# Altium PCB IT_Asset_Tracking_Rack_Controller-H743.PcbDoc (part 2 of 4)
Units mm, origin at the board's own origin, x right, y up, seen from the top; angles counter-clockwise.
Board outline 130 x 85 mm, 4 copper layers (Top Layer, MidLayer1, MidLayer2, Bottom Layer), stack 1.98 mm thick; 255 components, 233 nets, 1248 pads, 674 vias.
Unrouted connection lines stored in the file: 9.
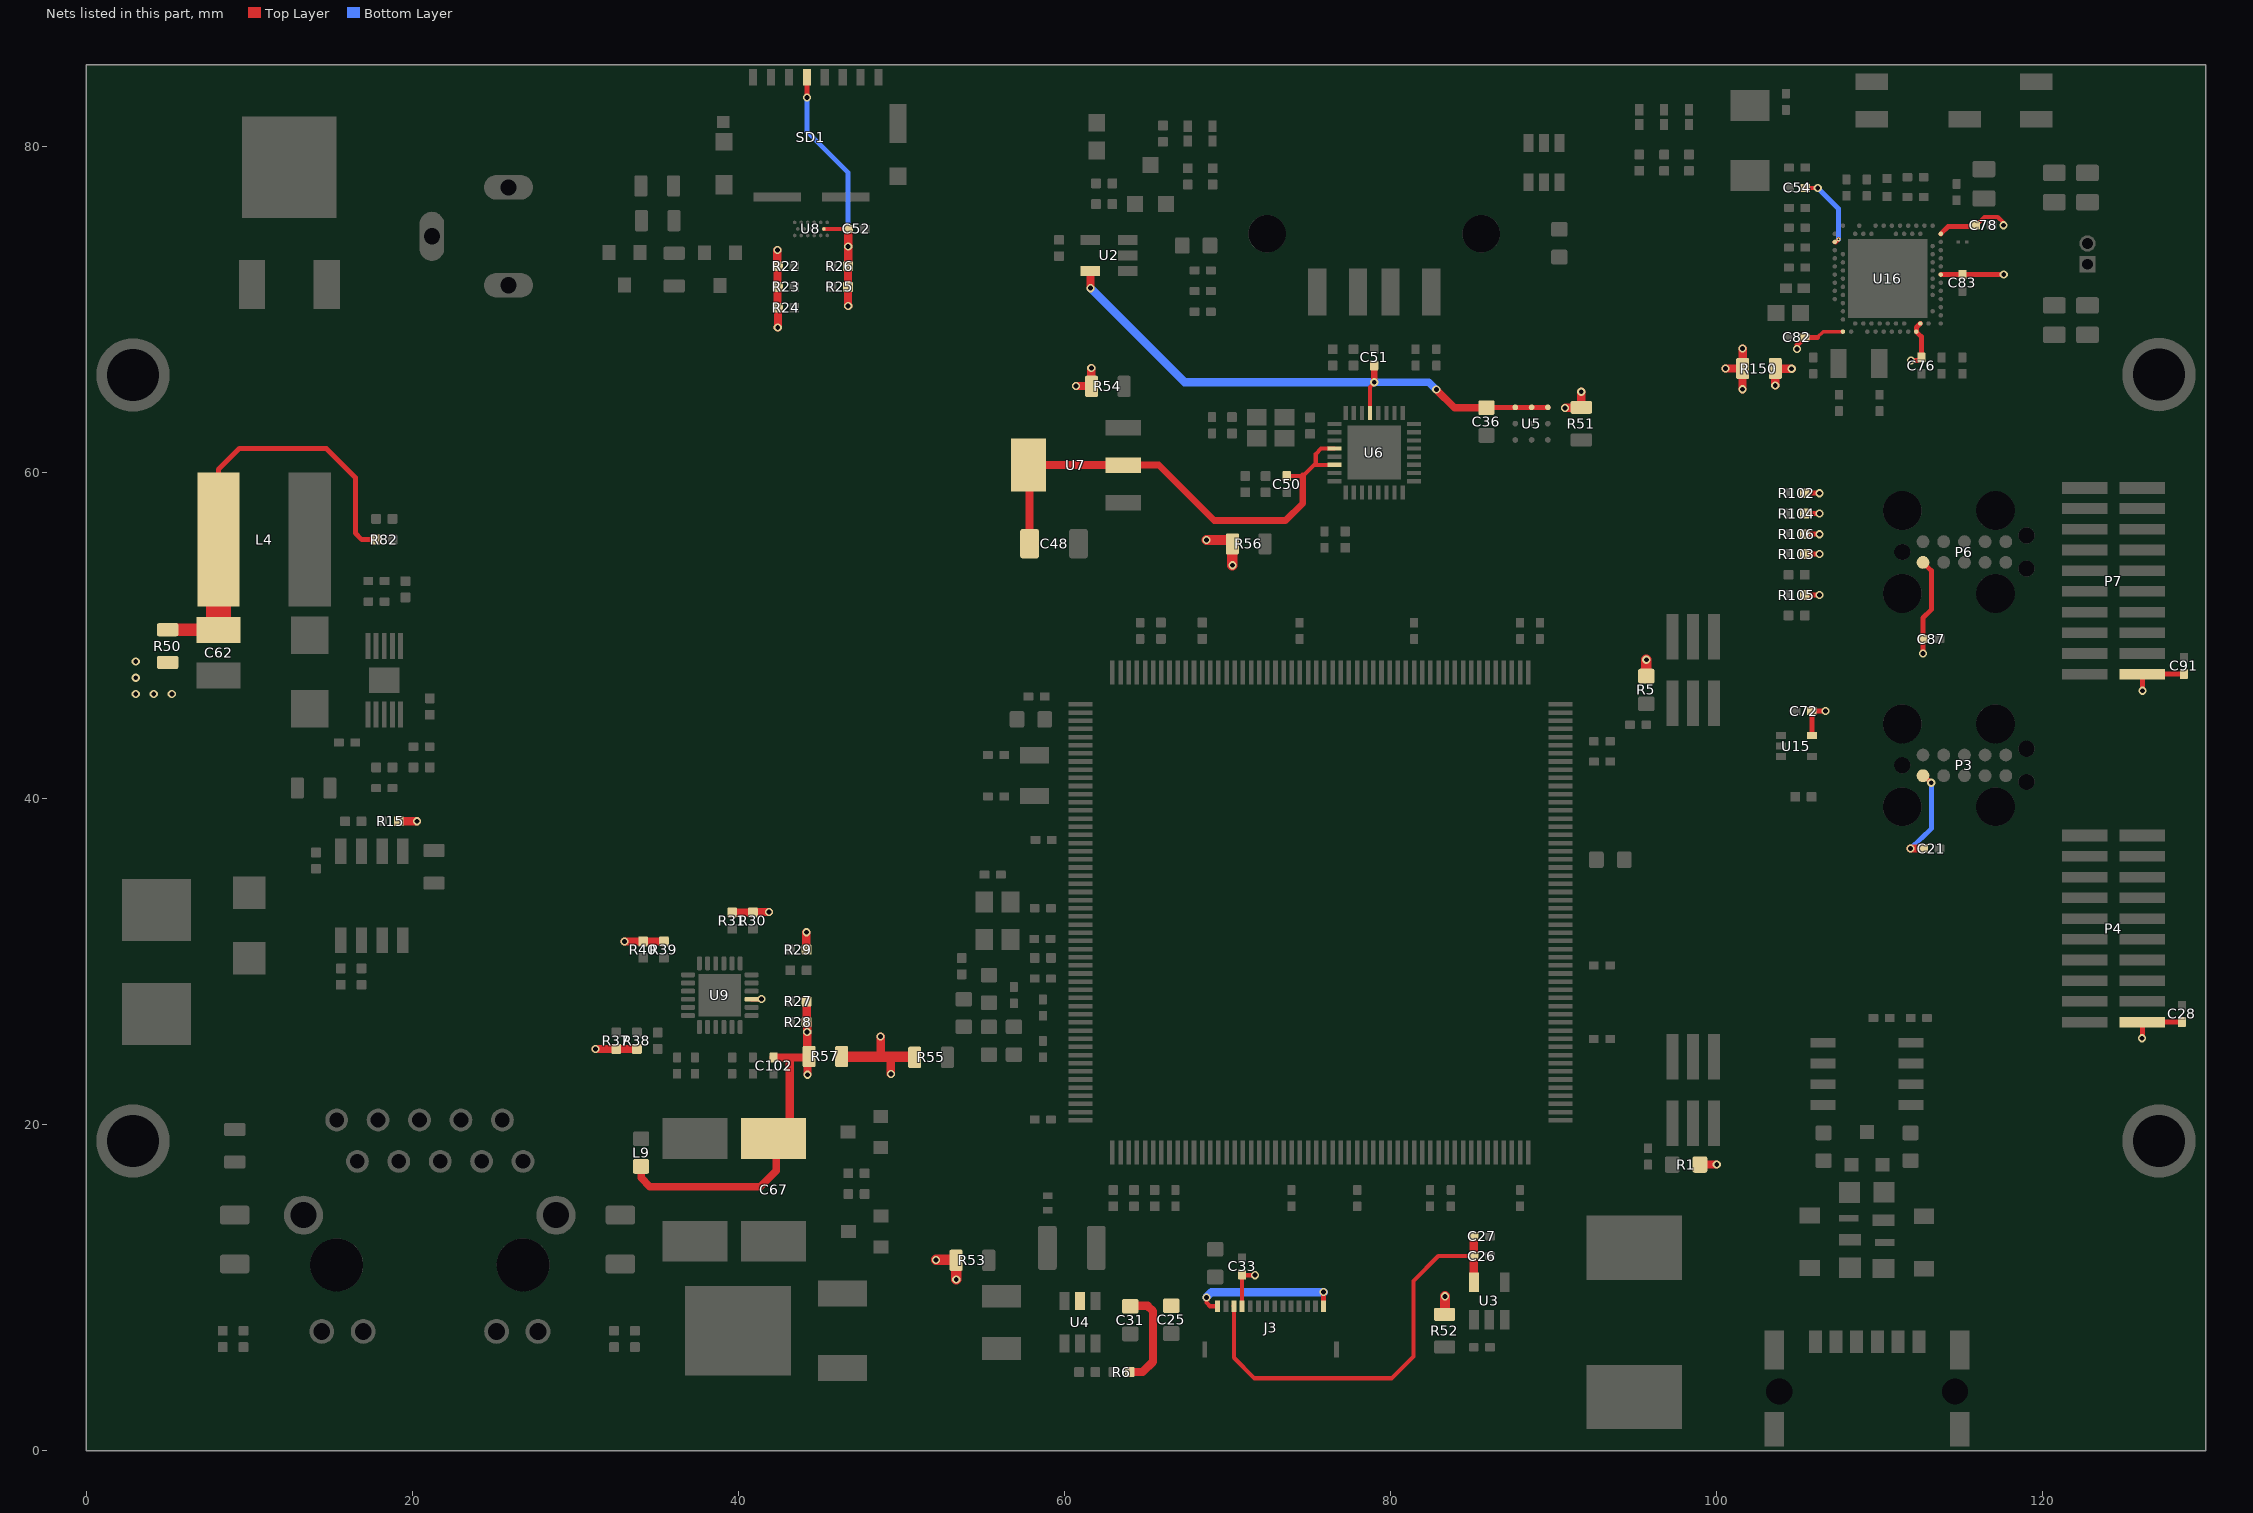
[diagram p4: the nets of this part, all layers, seen from the top]

## Part data (continued)
C10: library part Cap_4.7uF_0603_10V, "4.7µF ±10% 10V Ceramic Capacitor X5R 0603 (1608 Metric)", Dielectric Grade=X5R, Footprint/Package="0603 (1608 metric)", Manufacturer PartNr=C0603C475K8PACTU, Manufracturer=KEMET, Supplier Part Number 1=399-5503-1-ND, Tolerance=10%, voltage=10VDC, Replaceable=yes, Supplier 1=Digi-Key
C11 C13 C41: library part Cap_1uF_0603_25V, "1µF ±10% 25V Ceramic Capacitor X5R 0603 (1608 Metric)", Dielectric Grade=X5R, Footprint/Package="0603 (1608 metrisch)", Manufacturer=Kemet, Manufacturer PartNr=C0603C105K3PACTU, Supplier Part Number 1=399-7846-1-ND, Tolerance=10%, voltage=25VDC, ComponentLink1Description=mouser, ComponentLink1URL=https://www.mouser.ch/ProductDetail/Murata-Electronics/GCM155C71A105KE38D?qs=sGAEpiMZZMsh%252b1woXyUXj0FEAttKcN54ouz5zO04smg%3d, Replaceable=yes, Supplier 1=Digi-Key
C21 C28 C34 C63 C70 C72 C87 C91 C92 C98: library part Cap_0.1uF_0402_10V, "0.1µF ±20% 10V Ceramic Capacitor X5R 0402 (1005 Metric)", Dielectric Grade=X5R, Footprint/Package=0402, Manufacturer="Wurth Electronics", Manufacturer PartNr=885012105010, Supplier Part Number 1=732-7487-1-ND, Tolerance=20%, voltage=10VDC, ComponentLink1Description=mouser, ComponentLink1URL=https://www.mouser.ch/ProductDetail/Wurth-Electronics/885012105010?qs=sGAEpiMZZMs0AnBnWHyRQEGbLOF2VP1ihL84oCjXnlO407YOHi%2fQbw%3d%3d, Replaceable=yes, Supplier 1=Digi-Key, Supplier 2=Farnell, Supplier 3=Mouser, Supplier Part Number 2=2533928, Supplier Part Number 3=710-885012105010
C24 C26 C80 C81 C82: library part Cap_1uF_0402_10V, "1µF ±10% 10V Ceramic Capacitor X7S 0402 (1005 Metric)", Dielectric Grade=X7S, Footprint/Package="0402 (1005 metric)", Manufacturer=Murata, Manufacturer PartNr=GCM155C71A105KE38D, Supplier Part Number 1=490-13409-1-ND, Tolerance=10%, voltage=10VDC, ComponentLink1Description=mouser, ComponentLink1URL=https://www.mouser.ch/ProductDetail/Murata-Electronics/GCM155C71A105KE38D?qs=sGAEpiMZZMsh%252b1woXyUXj0FEAttKcN54ouz5zO04smg%3d, Replaceable=yes, Supplier 1=Digi-Key
C25 C32 C36: library part Cap_4.7uF_0603_16V, "4.7µF ±10% 16V Ceramic Capacitor X5R 0603 (1608 Metric)", Dielectric Grade=X5R, Footprint/Package="0603 (1608 metric)", Manufacturer PartNr=GRM188R61C475KAAJD, Manufracturer="Murata Electronics", Supplier Part Number 1=490-10481-1-ND, Tolerance=10%, voltage="16 VDC", Replaceable=yes, Supplier 1=Digi-Key
C27 C33 C37 C38 C39: library part Cap_0.1uF_0402_16V, "0.1µF ±20% 16V Ceramic Capacitor X7R 0402 (1005 Metric)", Dielectric Grade=X7R, Footprint/Package="0402 (1005 Metric)", Manufacturer=KEMET, Manufacturer PartNr=C0402C104M4RACAUTO, Supplier Part Number 1=399-13707-1-ND, Tolerance=20%, voltage=16VDC, ComponentLink1Description=mouser, ComponentLink1URL=https://www.mouser.ch/ProductDetail/KEMET/C0402C104M4RACAUTO?qs=sGAEpiMZZMs0AnBnWHyRQB295tntAovf0Dzw3tVX6zRfKTwHFThmZw%3d%3d, Replaceable=yes, Supplier 1=Digi-Key
C29: library part Cap_100uF_1210_6.3V, "100µF ±20% 6.3V Ceramic Capacitor X5R 1206 (3216 Metric)", Dielectric Grade=X7S, Footprint/Package="1210 (3225 metric)", Manufacturer=Murata, Manufacturer PartNr=GRM31CR60J107ME39L, Supplier Part Number 1=490-4539-1-ND, Tolerance=20%, voltage=6.3V, ComponentLink1Description=mouser, ComponentLink1URL=https://www.mouser.ch/ProductDetail/Murata-Electronics/GRM32EC72A106KE05L?qs=sGAEpiMZZMs0AnBnWHyRQN7%2fAA2D2lPPRgsNRWcxCxSMn45aJ02Wig%3d%3d, Replaceable=yes, Supplier 1=Digi-Key
C30: library part Cap_4.7uF_0402_6.3V, "4.7µF ±20% 6.3V Ceramic Capacitor X5R 0402 (1005 Metric)", Dielectric Grade=X5R, Footprint/Package="0402 (1005 metric)", Manufacturer=Murata, Manufacturer PartNr=GRM155R60J475ME47D, Supplier Part Number 1=490-5915-1-ND, Tolerance=±20%, voltage=6.3VDC, Replaceable=yes, Supplier 1=Digi-Key
C31: library part Cap_4.7uF_0603_35V, "4.7µF ±10% 35V Ceramic Capacitor X5R 0603 (1608 Metric)", Dielectric Grade=X5R, Footprint/Package="0603 (1608 metric)", Manufacturer PartNr=GRM188R6YA475KE15D, Manufracturer="Murata Electronics", power=-, Supplier Part Number 1=490-7205-1-ND, Tolerance=10%, voltage="35 VDC", Replaceable=yes, Supplier 1=Digi-Key
C35: library part Cap_4.7uF_0603_6V3_Tantal, "4.7µF Molded Tantalum Capacitors 6.3V 0603 (1608 Metric) 7.5Ohm", Dielectric Grade=TAC, Footprint/Package="0603 (1608 Metric)", Manufacturer="AVX Corporation", Manufacturer PartNr=TACL475K006XTA, Supplier Part Number 1=478-7522-1-ND, Tolerance="10 %", voltage=6.3V, Replaceable=yes, Supplier 1=Digi-Key
C42 C43: library part Cap_2.2uF_0402_25V, "2.2µF ±20% 25V Ceramic Capacitor X5R 0402 (1005 Metric)", Dielectric Grade=X5R, Footprint/Package=0402, Manufacturer=Murata, Manufacturer PartNr=GRM155R61E225ME15D, Supplier Part Number 1=490-10457-1-ND, Tolerance=±20%, voltage=25VDC, ComponentLink1Description=digikey, ComponentLink1URL=https://www.digikey.com/product-detail/en/murata-electronics-north-america/GRM155R61E225ME15D/490-10457-2-ND/5027542, Replaceable=yes, Supplier 1=Digi-Key
C44 C45: library part Cap_11pF_0402_50V, "11pF ±5% 50V Ceramic Capacitor C0G, NP0 0402 (1005 Metric)", Dielectric Grade="C0G (NP0)", Footprint/Package="0402 (1005 metric)", Manufacturer=Murata, Manufacturer PartNr=GRM1555C1H110JA01D, Supplier Part Number 1=490-5923-6-ND, Tolerance=5%, voltage=50VDC, ComponentLink1Description=mouser, ComponentLink1URL=https://www.mouser.ch/ProductDetail/Murata-Electronics/GRM1555C1H110JA01D?qs=%2fha2pyFadug34NHqLs7eMMmZ4IY%2fB%2fBwtGmZmE%252bqlNJIuNiWKDU4cio3ILTIjZ7Z, Replaceable=yes, Supplier 1=Digi-Key, Supplier 2=Mouser, Supplier Part Number 2=81-GRM1555C1H110JA1D
C47: library part Cap_2.2uF_0402_6.3V, "Multilayer Ceramic Capacitors MLCC - SMD/SMT 0402 2.2uF 6.3volts *Derate Voltage/Temp", Dielectric Grade=X5R, Footprint/Package=0402, Manufacturer=Murata, Manufacturer PartNr=GRM155R60J225ME15D, Supplier Part Number 1=81-GRM155R60J225ME5D, Tolerance=±20%, voltage=6.3VDC, ComponentLink1Description=digikey, ComponentLink1URL=https://www.digikey.com/product-detail/en/murata-electronics-north-america/GRM155R61E225ME15D/490-10457-2-ND/5027542, Replaceable=yes, Supplier 1=Mouser
C48: library part Cap_10uF_1206_10V, "10µF Molded Tantalum Capacitors 10V 1206 (3216 Metric) 3.4Ohm", Dielectric Grade=Tantal, Footprint/Package="1206 (3216 metric)", Manufacturer="Vishay Sprague", Manufacturer PartNr=293D106X9010A2TE3, Supplier Part Number 1=718-1121-1-ND, Tolerance=±10%, voltage=10V, ComponentLink1Description=mouser, ComponentLink1URL=https://www.mouser.ch/ProductDetail/Murata-Electronics/GRM32EC72A106KE05L?qs=sGAEpiMZZMs0AnBnWHyRQN7%2fAA2D2lPPRgsNRWcxCxSMn45aJ02Wig%3d%3d, Replaceable=yes, Supplier 1=Digi-Key
C53 C76 C77 C79: library part "Cap_4.7uF_0603 _6.3V_X7R", "4.7µF ±10% 6.3V Ceramic Capacitor X7R 0603 (1608 Metric)", Dielectric Grade=X7R, Footprint/Package="0603 (1608 metric)", Manufacturer PartNr=JMK107BB7475KA-T, Manufracturer="Taiyo Yuden", Supplier Part Number 1=587-5870-1-ND, Tolerance=±10%, voltage=6.3VDC, ComponentLink1Description=mouser, ComponentLink1URL=https://www.mouser.ch/ProductDetail/Murata-Electronics/GRM155R60J475ME47D?qs=sGAEpiMZZMs0AnBnWHyRQIE6q%2f4qwWvwbJmEUwav8%2f4%3d, Replaceable=yes, Supplier 1=Digi-Key
C54 C78 C83: library part Cap_100nF_0402_6V3, "0.1µF ±10% 6.3V Ceramic Capacitor X7R 0402 (1005 Metric)", Dielectric Grade=X7R, Footprint/Package="0402 (1005 metric)", Manufacturer=Yageo, Manufacturer PartNr=CC0402KRX7R5BB104, Supplier Part Number 1=311-1701-1-ND, Tolerance=±10%, Replaceable=yes, Supplier 1=Digi-Key, volatage=6.3VDC
C55 C57: library part Cap_DNP_0402, "Do not place 0402  (1005 metric) - placeholder", Footprint/Package="0402 (1005 metric)", Manufacturer=N/A, Manufacturer PartNr=N/A, Remark="do not place", Replaceable=no, Supplier 1=N/A, Supplier Part Number 1=N/A
C56 C100 C101 C102: library part Cap_0.1uF_0402_16V_10%, "0.1µF ±10% 16V Ceramic Capacitor X7R 0402 (1005 Metric)", Dielectric Grade=X7R, Footprint/Package="0402 (1005 Metric)", Manufacturer=Yageo, Manufacturer PartNr=CC0402KRX7R7BB104, Supplier Part Number 1=311-1338-1-ND, Tolerance=10%, voltage=16VDC, ComponentLink1Description=mouser, ComponentLink1URL=https://www.mouser.ch/ProductDetail/KEMET/C0402C104M4RACAUTO?qs=sGAEpiMZZMs0AnBnWHyRQB295tntAovf0Dzw3tVX6zRfKTwHFThmZw%3d%3d, Replaceable=yes, Supplier 1=Digi-Key
C58 C73: library part "Cap_130pF_0805 _50V", "130pF ±5% 50V Ceramic Capacitor C0G, NP0 0805 (2012 Metric)", Dielectric Grade=C0G/NP0, Footprint/Package="0805 (2012 metric)", Manufacturer=KEMET, Manufacturer PartNr=C0805C131J5GAC7800, power=-, Supplier Part Number 1=399-15446-1-ND, Tolerance=±5%, voltage="50V DC", Replaceable=yes, Supplier 1=Digi-Key
C59: library part Cap_6.8nF_0402_50V, "6800pF ±10% 50V Ceramic Capacitor X7R 0402 (1005 Metric)", Dielectric Grade=X7R, Footprint/Package="0402 (1005 metric)", Manufacturer=KEMET, Manufacturer PartNr=C0402C682K5RACTU, Supplier Part Number 1=399-3074-1-ND, Tolerance=10%, voltage=50VDC, ComponentLink1Description=http://www.mouser.com/ds/2/400/lcc_commercial_general_en-837201.pdf, ComponentLink1URL=http://www.mouser.com/ds/2/400/lcc_commercial_general_en-837201.pdf, ComponentLink2Description=https://product.tdk.com/info/en/documents/chara_sheet/C1005X7R1H682K050BA.pdf, ComponentLink2URL=https://product.tdk.com/info/en/documents/chara_sheet/C1005X7R1H682K050BA.pdf, ComponentLink3Description=https://product.tdk.com/en/products/common/pdf/mlcc_partnumber_description.pdf, ComponentLink3URL=https://product.tdk.com/en/products/common/pdf/mlcc_partnumber_description.pdf, Replaceable=yes, Supplier 1=Digi-Key
C60: library part Cap_3nF_0402_10V, "3000pF, 3nF, ±5% 10V Ceramic Capacitor U2J 0402 (1005 Metric)", Dielectric Grade=U2J, Footprint/Package="0402 (1005 Metric)", Manufacturer=Murata, Manufacturer PartNr=GRM1557U1A302JA01D, power=NA, Supplier Part Number 1=490-8243-2-ND, Tolerance=5%, voltage=10V, ComponentLink1Description=http://psearch.murata.com/capacitor/product/GRM1557U1A302JA01%23.pdf, ComponentLink1URL=http://psearch.murata.com/capacitor/product/GRM1557U1A302JA01%23.pdf, ComponentLink2Description=https://www.murata.com/~/media/webrenewal/support/library/catalog/products/capacitor/mlcc/c02e.ashx?la=en-us, ComponentLink2URL=https://www.murata.com/~/media/webrenewal/support/library/catalog/products/capacitor/mlcc/c02e.ashx?la=en-us, Replaceable=yes, Supplier 1=Digi-Key
C61 C96 C97: library part Cap_10pF_0402_50V, "10pF ±1% 50V Ceramic Capacitor C0G, NP0 0402 (1005 Metric)", Dielectric Grade="C0G (NP0)", Footprint/Package="0402 (1005 metric)", Manufacturer PartNr=GJM1555C1H100FB01D, Manufracturer="Murata Electronics", Supplier Part Number 1="0402 (1005 Metric)", Tolerance=1%, voltage=50VDC, ComponentLink1Description=mouser, ComponentLink1URL=https://www.mouser.ch/ProductDetail/Murata-Electronics/GRM155R60J475ME47D?qs=sGAEpiMZZMs0AnBnWHyRQIE6q%2f4qwWvwbJmEUwav8%2f4%3d, Replaceable=yes, Supplier 1=Digi-Key, Supplier 2=Mouser, Supplier Part Number 2=81-GJM1555C1H100FB01
C62: library part Cap_100uF_1210_10V, "100µF ±20% 10V Ceramic Capacitor X5R 1210 (3225 Metric)", Dielectric Grade=X5R, Footprint/Package="1210 (3225 metric)", Manufacturer=Murata, Manufacturer PartNr=GRM32ER61A107ME20L, Supplier Part Number 1=490-9969-1-ND, Tolerance=±20%, voltage=10VDC, Replaceable=yes, Supplier 1=Digi-Key
C64 C65: library part Cap_1nF_1206_2000V, "1000pF ±10% 2000V (2kV) Ceramic Capacitor X7R 1206 (3216 Metric)", Dielectric Grade=X7R, Footprint/Package="1206 (3216 Metric)", Manufacturer="AVX Corporation", Manufacturer PartNr=1206GC102KAZ1A, Supplier Part Number 1=478-4600-1-ND, Tolerance=±10%, voltage=2kV, Replaceable=yes, Supplier 1=Digi-Key
C66 C67: library part "Cap_10uF_1206 _10V_Tantal", "10µF Molded Tantalum Capacitors 10V 1206 (3216 Metric) 3.4Ohm", Dielectric Grade=TANTAL, Footprint/Package="1206 (3216 metric)", Manufacturer="Vishay Sprague", Manufacturer PartNr=293D106X9010A2TE3, Supplier Part Number 1=718-1121-1-ND, Tolerance=±10%, voltage=10V, Replaceable=yes, Supplier 1=Digi-Key
C68: library part Cap_470pF_0402_16V, "470pF ±10% 16V Ceramic Capacitor X7R 0402 (1005 Metric)", Dielectric Grade=X7R, Footprint/Package="0402 (1005 metric)", Manufacturer="AVX Corporation", Manufacturer PartNr=0402YC471KAT2A, Supplier Part Number 1=478-12657-1-ND, Tolerance=10%, voltage=16VDC, ComponentLink1Description=mouser, ComponentLink1URL=https://www.mouser.ch/ProductDetail/Murata-Electronics/GRM155R61A472KA01D?qs=sGAEpiMZZMs0AnBnWHyRQJuLogdu9bcTuSYPL0o17LI%3d, Replaceable=yes, Supplier 1=Digi-Key
C71: library part Cap_10uF_0402_10V, "10µF ±20% 10V Ceramic Capacitor X5R 0402 (1005 Metric)", Dielectric Grade=X5R, Footprint/Package="0402 (1005 metric)", Manufacturer="Samsung Electro-Mechanics", Manufacturer PartNr=CL05A106MP8NUB8, Supplier Part Number 1=1276-6830-1-ND, Tolerance=20%, voltage=10VDC, ComponentLink1Description=mouser, ComponentLink1URL=https://www.mouser.ch/ProductDetail/Murata-Electronics/ZRB15XR61A106ME01D?qs=sGAEpiMZZMs0AnBnWHyRQN7%2fAA2D2lPPC0%2fdyv23S%2fU%252bBeuYI5b1UA%3d%3d, Replaceable=yes, Supplier 1=Digi-Key
C74 C75 C84 C85: library part Cap_12pF_0402_50V, "12pF ±2% 50V Ceramic Capacitor C0G, NP0 0402 (1005 Metric)", Dielectric Grade=C0G/NP0, Footprint/Package="0402 (1005 metric)", Manufacturer=Murata, Manufacturer PartNr=GRM1555C1H120GA01D, Supplier Part Number 1=490-6197-1-ND, Tolerance=±2%, voltage=50VDC, Replaceable=yes, Supplier 1=Digi-Key
C86: library part Cap_100pF_0402_10V, "100pF ±5% 10V Keramikkondensatoren C0G, NP0 0402 (1005 metrisch)", Dielectric Grade=C0G/NP0, Footprint/Package="0402 (1005 metric)", Manufacturer=Yageo, Manufacturer PartNr=885012005013, Supplier Part Number 1=732-7431-1-ND, Tolerance=±5%, voltage=10VDC, Replaceable=yes, Supplier 1=Digi-Key
C88: library part Cap_0.8pF_0402_50V, "0.8pF ±0.1pF 50V Ceramic Capacitor C0G, NP0 0402 (1005 Metric)", Dielectric Grade=C0G/NP0, Footprint/Package="0402 (1005 metric)", Manufacturer=Murata, Manufacturer PartNr=GJM1555C1HR80BB01D, power=-, Supplier Part Number 1=490-6080-1-ND, Tolerance=±0.1pF, voltage="50 VDC", ComponentLink1Description=http://search.murata.co.jp/Ceramy/image/img/A01X/G101/ENG/GJM1555C1HR80BB01-01.pdf, ComponentLink1URL=http://search.murata.co.jp/Ceramy/image/img/A01X/G101/ENG/GJM1555C1HR80BB01-01.pdf, ComponentLink2Description=http://search.murata.co.jp/Ceramy/image/img/w_hinm/L0005E.pdf, ComponentLink2URL=http://search.murata.co.jp/Ceramy/image/img/w_hinm/L0005E.pdf, ComponentLink3Description=http://psearch.murata.com/capacitor/product/GJM1555C1HR80BB01%23.pdf, ComponentLink3URL=http://psearch.murata.com/capacitor/product/GJM1555C1HR80BB01%23.pdf, ComponentLink4Description=https://www.verical.com/server-webapp/html/getDatasheet?partID=75095, ComponentLink4URL=https://www.verical.com/server-webapp/html/getDatasheet?partID=75095, Replaceable=yes, Supplier 1=Digi-Key
C89: library part Cap_0.5pF_0402_50V, "0.5pF ±0.05pF 50V Ceramic Capacitor C0G, NP0 0402 (1005 Metric), Murata", Dielectric Grade=C0G/NP0, Footprint/Package="0402 (1005 metric)", Manufacturer=Murata, Manufacturer PartNr=GJM1555C1HR50WB01D, power=-, Supplier Part Number 1=490-11250-1-ND, Tolerance=±0.05pF, voltage="50 VDC", ComponentLink1Description=Datasheet, ComponentLink1URL=https://search.murata.co.jp/Ceramy/image/img/A01X/G101/ENG/GJM1555C1HR50WB01-01.pdf, Replaceable=yes, Supplier 1=Digi-Key
C90 C94 C95: library part Cap_DNP_0805, "Do not place 0805 (2012 metric) - placeholder", Footprint/Package="0805 (2012 metric)", Manufacturer=N/A, Manufacturer PartNr=N/A, Remark="do not place", Replaceable=no, Supplier 1=N/A, Supplier Part Number 1=N/A
C93: library part Cap_820pF_0402_50V, "820pF ±5% 50V Ceramic Capacitor C0G, NP0 0402 (1005 Metric)", Dielectric Grade=C0G/NP0, Footprint/Package="0402 (1005 metric)", Manufacturer="Muarata Electronics", Manufacturer PartNr=GRM1555C1H821JA01J, Supplier Part Number 1=490-11407-1-ND, Tolerance=±5%, voltage="50 VDC", ComponentLink1Description=digikey, ComponentLink1URL=https://www.digikey.com/product-detail/en/murata-electronics-north-america/GJM1555C1H150FB01D/490-11191-6-ND/5333833, Replaceable=no, Supplier 1=Digi-Key
C99: library part Cap_1uF_0603_16V, "1µF ±10% 16V Ceramic Capacitor X5R 0603 (1608 Metric)", Dielectric Grade=X5R, Footprint/Package="0603 (1608 Metric)", Manufacturer=Yageo, Manufacturer PartNr=CC0603KRX5R7BB105, Supplier Part Number 1=311-1444-1-ND, Tolerance=10%, voltage=16VDC, ComponentLink1Description=mouser, ComponentLink1URL=https://www.mouser.ch/ProductDetail/Murata-Electronics/GCM155C71A105KE38D?qs=sGAEpiMZZMsh%252b1woXyUXj0FEAttKcN54ouz5zO04smg%3d, Replaceable=yes, Supplier 1=Digi-Key
D1: library part ESDA6V1BC6, "Clamp Ipp Tvs Diode Surface Mount SOT-23-6 SMD, used e.g in ESD protection for USB", Dielectric Grade=-, Footprint/Package=SOT-23-6, Manufacturer=STMicroelectronics, Supplier Part Number 1=497-6635-1-ND, voltage=6.1V, Manufacturer PartNr=ESDA6V1BC6, Replaceable=no, Supplier 1=Digi-Key, Tolerance=-
D2 D8: library part Diode_SZBZX84C10LT1G, "Zener Diode 10V 225mW ±6% Oberflächenmontage SOT-23-3 (TO-236)", Footprint/Package="SOT-23-3 (TO-236)", Manufacturer="ON Semiconductor", power=225mW, Supplier Part Number 1=SZBZX84C10LT1GOSDKR-ND, voltage=10V, Manufacturer PartNr=SZBZX84C10LT1G, Replaceable=no, Supplier 1=Digi-Key
D7: library part Diode_MBRD5H100T4G, "Gleichrichter Diode Schottky 100V 5A Oberflächenmontage DPAK", Footprint/Package=DPAK, Manufacturer="ON Semiconductor", Supplier Part Number 1=MBRD5H100T4GOSCT-ND, Manufacturer PartNr=MBRD5H100T4G, Replaceable=no, Supplier 1=Digi-Key
D9: library part Diode_B360B-13-F, "Diode Schottky 60V 3A Surface Mount SMB", Footprint/Package="DO-214AA, SMB", Manufacturer="Diodes Incorporated", Supplier Part Number 1=B360B-FDIDKR-ND, ComponentLink1Description=mouser, ComponentLink1URL=https://www.mouser.ch/ProductDetail/Diodes-Incorporated/B360B-13-F?qs=sGAEpiMZZMtQ8nqTKtFS%2fP8bhA82jfmw8ipi2fZa5J8%3d, Manufacturer PartNr=B360B-13-F, Replaceable=no, Supplier 1=Digi-Key, Supplier 2=Mouser, Supplier Part Number 2=621-B360B-F
D10: library part Diode_SZ1SMA58AT3G, "93.6V Clamp 4.3A Ipp Tvs Diode Surface Mount SMA", Footprint/Package="DO-214AC, SMA", Manufacturer="Littelfuse Inc.", power=400W, Supplier Part Number 1=F11530CT-ND, voltage=93.6V, Manufacturer PartNr=SZ1SMA58AT3G, Replaceable=no, Supplier 1=Digi-Key
D11 D12: "Thyristor Surge Protection Devices (TSPD) PxxxxS4xLRP Series SIDACtor Protection Thyristor 100A 25V Bi SOD", Footprint/Package=SOD-123FL, Manufacturer=Littelfuse, Supplier Part Number 1=576-P0080S4BLRP, ComponentLink1Description=mouser, ComponentLink1URL=https://www.mouser.ch/ProductDetail/Diodes-Incorporated/DESD3V3S1BL-7B?qs=%2fha2pyFaduhA707awRoRgtNXj1BWecNQPXz8CtVYm9O48rqwfwJI0g%3d%3d, Manufacturer PartNr=P0080S4BLRP, Replaceable=no, Supplier 1=Mouser, Supplier 2=Digikey, Supplier Part Number 2=P0080S4BLRPCT-ND
D13: library part Diode_TVS_26V, "TVSDiode, 26V, 14V Clamp 17A (8/20µs) Ipp, Surface Mount SOT-23-3, Applications RS-485", Dielectric Grade=NA, Footprint/Package="DO-214AC-2 (SMA)", Manufacturer=Bourns, Package / Case=TO-236-3,SC-59,SOT-23-3, power=400W, Supplier Part Number 1=CDSOT23-SM712CT-ND, voltage="26V, 14V", Manufacturer PartNr=CDSOT23-SM712, Replaceable=no, Supplier 1=Digi-Key
E1: library part Antenna_2.4GHZ_PCB, "2,4GHz Bluetooth, Wi-Fi, Zigbee PCB HF-Antenna,1dBi SMD, Antenova", Dielectric Grade=-, Footprint/Package="specific see datasheet", Manufacturer=Antenova, Manufacturer Part Number=A5839, Package=None, Supplier Part Number 1=627-1011-1-ND, power=-, Replaceable=no, Supplier 1=Digi-Key, Tolerance=-, voltage=-
F1: library part "FUSE_375mA 125AC", "375mA, 125V AC 125V DC Fuse with surfacemount holder, 2-SMD", Footprint/Package="2-SMD see datasheet", Manufacturer="Littlefuse Inc.", Manufacturer PartNr=0154.375DR, Supplier Part Number 1=F3150CT-ND, Tolerance=NA, voltage=125VAC/125VDC, Replaceable=no, Supplier 1=Digi-Key
IC1: library part NCP1092DG, "Power Over Ethernet Controller 1 Channel 802.3af (PoE) 8-SOIC", Footprint/Package=SOIC, Manufacturer="ON Semiconductor", Supplier Part Number 1=NCP1092DGOS-ND, ComponentLink1Description=http://www.onsemi.com/pub/Collateral/NCP1090-D.PDF, ComponentLink1URL=http://www.onsemi.com/pub/Collateral/NCP1090-D.PDF, ComponentLink2Description=http://www.farnell.com/datasheets/1339888.pdf, ComponentLink2URL=http://www.farnell.com/datasheets/1339888.pdf, ComponentLink3Description=http://www.onsemi.jp/pub_link/Collateral/NCP1090-D.PDF, ComponentLink3URL=http://www.onsemi.jp/pub_link/Collateral/NCP1090-D.PDF, ComponentLink4Description=http://www.mouser.com/ds/2/308/NCP1090-D-45905.pdf, ComponentLink4URL=http://www.mouser.com/ds/2/308/NCP1090-D-45905.pdf, Manufacturer Part Number=NCP1092DG, Replaceable=no, Supplier 1=Digi-Key
J1: library part PowerJack-102AH, "PJ-102 Series 2 x 6.5 mm 24 V Horizontal Power Jack w/ Tapered PC Pins,Through Hole, Right Angle", Footprint/Package=THD, Manufacturer="CUI Devices", Manufacturer PartNr=PJ-102AH, Replaceable=NO, Supplier 1=Digi-Key, Supplier Part Number 1=CP-102AH-ND
J2: library part CONN_Erni_6_214013, "Headers & Wire Housings 6P 1.27MM SNGL ROW R/A MALE BLK", Footprint/Package=1.27mm, Manufacturer=ERNI, Manufacturer PartNr=214013, Supplier Part Number 1=305-214013, ComponentLink1Description=mouser, ComponentLink1URL=https://www.mouser.ch/ProductDetail/ERNI/214013?qs=sGAEpiMZZMvMXbh32ZmHAMhEPQG9jaj7Ou3J%2fuOb4IQ%3d, Replaceable=no, Supplier 1=Mouser
J3: library part CONN_Molex_FPC_14pin_0.5mm, "14 Position FFC, FPC Connector Contacts, Top and Bottom, Pitch  0.020\" (0.50mm) Surface Mount, Right Angle", Dielectric Grade=-, Footprint/Package="specific, see datasheet", Manufacturer=Molex, Supplier Part Number 1=WM1442CT-ND, voltage=50V, Manufacturer PartNr=5034801400, Replaceable=no, Supplier 1=Digi-Key, Tolerance=-
L1: library part Ind_10uH_4.2x4.2mm, "10µH Shielded Wirewound Inductor 1.7A 200mOhm Max Nonstandard", Dielectric Grade=-, Footprint/Package="Specific see datasheet", Manufacturer="Murata Electronics", Manufacturer PartNr=FDSD0420-H-100M=P3, Supplier Part Number 1=490-10861-1-ND, ComponentLink1Description=Datasheet, ComponentLink1URL=https://www.bourns.com/docs/Product-Datasheets/SRN8040.pdf, power=-, Replaceable=no, Supplier 1=Digi-Key, Tolerance=-
L2: library part Ind_600R_0603, "Ferritperlen MULTILYR CHP BD 0603 600OHMS 25%", current=350mA, Footprint/Package=0603, Manufacturer="Taiyo Yuden", Manufacturer PartNr=BK1608HS601-T, Supplier Part Number 1=963-BK1608HS601-T, Tolerance=25%, Replaceable=yes, Supplier 1=Mouser
L3: library part Ind_15nH_0402, "15nH Unshielded Multilayer Inductor 320mA 460mOhm Max 0402 (1005 Metric),  Taiyo Yuden", Dielectric Grade=-, Footprint/Package="0402 (1005 metric)", Manufacturer="TAIYO YUDEN", Manufacturer PartNr=HK100515NJ-T, Supplier Part Number 1=587-1521-1-ND, Tolerance=±5%, power=-, Replaceable=no, Supplier 1=Digi-Key
L4: library part Ind_SRN8040-8R2Y, "8.2µH Semi-Shielded Wirewound Inductor 3.7A 45mOhm Max Nonstandard", Footprint/Package="Specific see datasheet", Manufacturer=Bourns, Manufacturer PartNr=SRN8040-8R2Y, power=-, Supplier Part Number 1=SRN8040-8R2YCT-ND, ComponentLink1Description=Datasheet, ComponentLink1URL=https://www.bourns.com/docs/Product-Datasheets/SRN8040.pdf, Replaceable=no, Supplier 1=Digi-Key, Tolerance=-
L5: library part Ind_10uH_0603, "10µH Unshielded Wirewound Inductor 80mA 360mOhm 0603 (1608 Metric)", Footprint/Package="0603 (1608 metric)", Manufacturer="TAIYO YUDEN", Manufacturer PartNr=LBMF1608T100K, Supplier Part Number 1=587-1714-6-ND, Tolerance=±10%, Replaceable=no, Supplier 1=Digi-Key
L6: library part Ind_3.3nH_0402, "3.3nH Unshielded Multilayer Inductor 800mA 170mOhm Max 0402 (1005 Metric)", Dielectric Grade=-, Footprint/Package="0402 (1005 metric)", Manufacturer="Murata Electronics", Manufacturer PartNr=LQG15HS3N3S02D, Supplier Part Number 1=490-2616-1-ND, Replaceable=no, Supplier 1=DIgi-Key, Tolerance=-, voltage=-
L7 L8 L9: library part Ferrit_Bead_0603_BLM18PG121SN1D, "120 Ohms @ 100MHz 1 Power Line Ferrite Bead 0603 (1608 Metric) 2A 50mOhm", Dielectric Grade=-, Footprint/Package="0603 (1608 metric)", Manufacturer="Murata Electronics", Manufacturer PartNr=BLM18PG121SN1D, Supplier Part Number 1=490-1037-1-ND, power=-, Replaceable=yes, Supplier 1=Digi-Key, Tolerance=-
LD1: library part LED_RED_0402, "Red 630nm LED Indication - Discrete 1.95V 0402 (1005 Metric)", Dielectric Grade=-, Footprint/Package="0420 (1005 metric)", Manufacturer=Kingbright, Manufacturer PartNr=APHHS1005SURCK, Supplier Part Number 1=754-1104-1-ND, voltage="1.95V (forward)", power=-, Replaceable=yes, Supplier 1=Digi-Key, Tolerance=-
LD2 LD9 LD10 LD11: library part LED_GREEN_0402, "Green 570nm LED Indication - Discrete 2.1V 0402 (1005 Metric)", Dielectric Grade=-, Footprint/Package="0420 (1005 metric)", Manufacturer=Kingbright, Manufacturer PartNr=APHHS1005CGCK, Supplier Part Number 1=754-1101-1-ND, voltage="2.1V (forward)", power=-, Replaceable=yes, Supplier 1=Digi-Key, Tolerance=-
NT3: "Net-Tie allowing to short two different types of nets."
P1: library part CONN_1x2_M50-3530242, "2 Pin, 1 Row, Jumper, 1.27mm", Dielectric Grade=-, Footprint/Package=1.27mm, Manufacturer=Harwin, Supplier Part Number 1=952-3598-ND, ComponentLink1Description=digikey, ComponentLink1URL=https://www.digikey.com/product-detail/en/harwin-inc/M50-3530242/952-3598-ND/7044013, Manufacturer PartNr=M50-3530242, power=-, Replaceable=yes, Supplier1=digikey, Tolerance=-, voltage=-
P2: library part CONN_USB_TYPE_A_1, "USB - A USB 2.0 Receptacle Connector 4 Position Surface Mount, Right Angle", Dielectric Grade=-, Footprint/Package="SMD, see datasheet", Manufacturer="Amphenol ICC", Supplier Part Number 1=609-6260-1-ND, ComponentLink1Description=mouser, ComponentLink1URL=https://www.mouser.ch/ProductDetail/Harwin/M50-3030342?qs=%2fha2pyFaduiRpn7Sn9fWVp%252bNpdzGcgnS82sSCZLLu%2fUjQZVEB%252bIkNw%3d%3d, Manufacturer PartNr=87583-3010RPLF, power=-, Replaceable=no, Supplier 1=Digi-Key, voltage=-
P3 P6: library part CONN_Segger_10_PIN, "Segger, J-Link 10-pin Needle Adapter"
P4 P7: library part CONN_2X10_Header_1.27, "Connector Header Surface Mount 20 position 0.050\" (1.27mm)", Dielectric Grade=-, Footprint/Package="2x10 Pads, see datasheet", Manufacturer="CNC Tech", Supplier Part Number 1=1175-2646-1-ND, ComponentLink1Description=mouser, ComponentLink1URL=https://www.mouser.ch/ProductDetail/Harwin/M50-3030342?qs=%2fha2pyFaduiRpn7Sn9fWVp%252bNpdzGcgnS82sSCZLLu%2fUjQZVEB%252bIkNw%3d%3d, Manufacturer PartNr=3220-20-0300-00-TR, power=-, Replaceable=no, Supplier 1=Digi-Key, voltage=-
P5 P8: library part CONN_2X03_FTS-103-02-F-DV, "6Pin, 2Rows, MICRO LOW-PROFILE TERMINAL STRIPS", Manufacturer=Samtec, Manufacturer PartNr=FTS-103-02-F-DV, Supplier Part Number 1=SAM13893DKR-ND, Supplier 1=Digi-Key, Supplier 2=Mouser, Supplier 3=Farnell, Supplier Part Number 2=200-FTS10302FDVTR, Supplier Part Number 3=1928022
Q1: library part FET_NTR0202PLT1G, "P-Channel 20V 400mA (Ta) 225mW (Ta) Surface Mount SOT-23-3 (TO-236)", Dielectric Grade=NA, Footprint/Package="SOT-23-3 (TO-236)", Manufacturer="ON Semiconductor", power=225mW, Supplier Part Number 1=NTR0202PLT1GOSCT-ND, voltage=20V, ComponentLink1Description=mouser, ComponentLink1URL=https://www.mouser.ch/ProductDetail/Murata-Electronics/GCM155C71A105KE38D?qs=sGAEpiMZZMsh%252b1woXyUXj0FEAttKcN54ouz5zO04smg%3d, Manufacturer PartNr=NTR0202PLT1G, Replaceable=no, Supplier 1=Digi-Key, Tolerance=NA
Q2: "P-Channel 60V 12A (Tc) 2.5W (Ta), 44W (Tc) Surface Mount D-Pak", Dielectric Grade=NA, Footprint/Package="TO-252-3, DPak", Manufacturer="ON Semiconductor", power=2.5W, Supplier Part Number 1=FQD17P06TMCT-ND, voltage=60V, ComponentLink1Description=mouser, ComponentLink1URL=https://www.mouser.ch/ProductDetail/Murata-Electronics/GCM155C71A105KE38D?qs=sGAEpiMZZMsh%252b1woXyUXj0FEAttKcN54ouz5zO04smg%3d, Manufacturer PartNr=FQD17P06TM, Replaceable=no, Supplier 1=Digi-Key, Tolerance=NA